# Altium PCB 400442.PcbDoc (part 1 of 4) (continued)
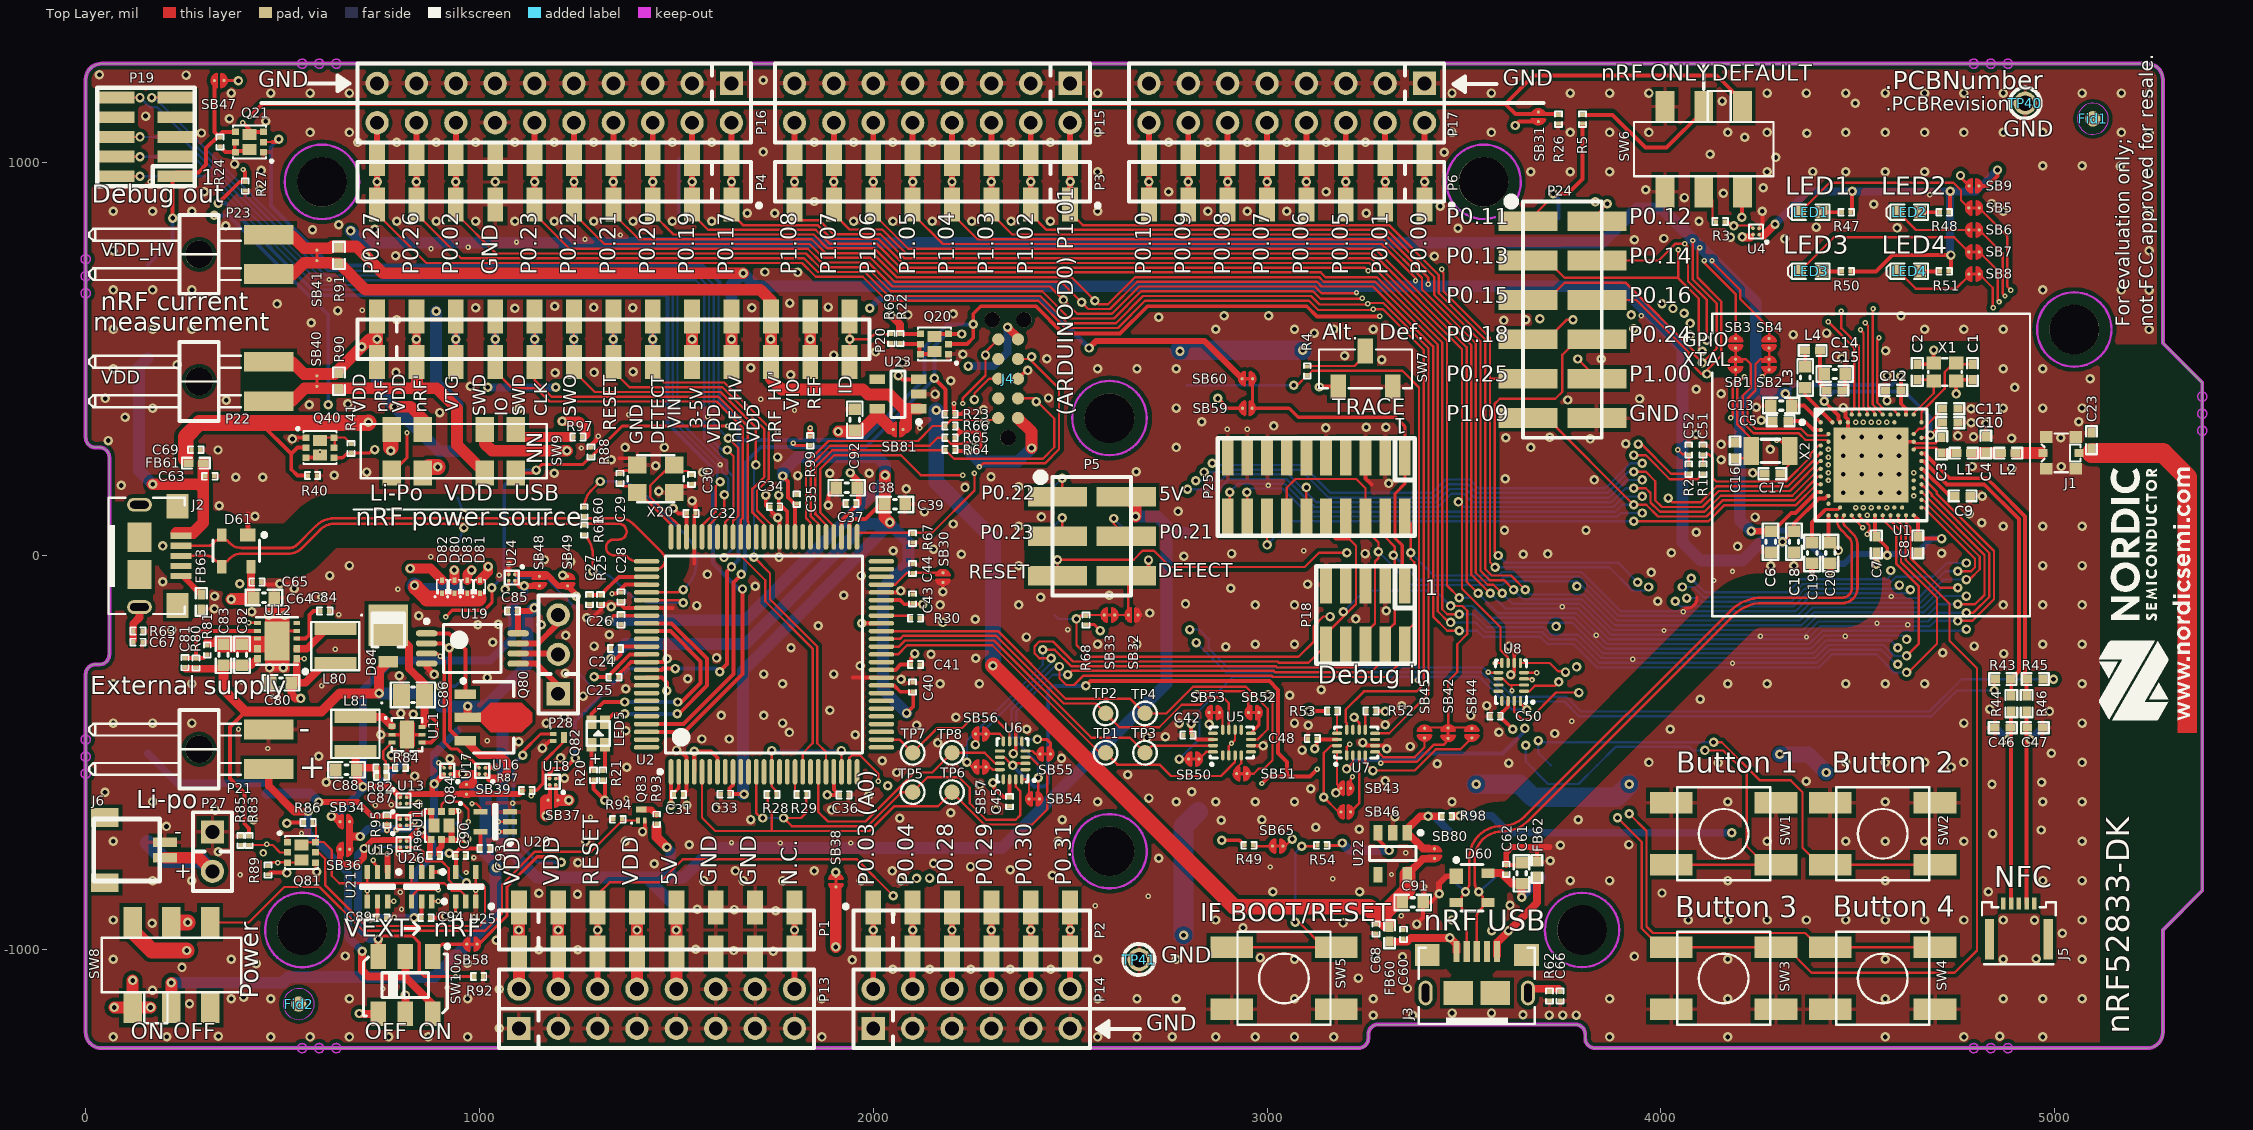
[diagram p0: Top Layer view]
## Components (designator, comment, footprint, x,y, rotation, side; value= is the part's Value field where it differs from the comment) (continued)
R25 "6k8" RESC0603X03L_C 1307.61,-111 r90 top
R26 "47k" RESC0603X03L_C 3740,1109 r270 top
R27 "10k" RESC0603X03L_C 405,939 r90 top
R28 "150R" RESC0603X03L_C 1743,-606 r180 top
R29 "150R" RESC0603X03L_C 1819,-606 r0 top
R30 "0R" RESC0603X03L_C 2107,-158 r180 top
R40 "150k" RESC0603X03L_C 576,204 r0 top
R41 "1M0" RESC0603X03L_C 674,273 r90 top
R43 "N.C." RESC1005X04L 4868.84,-313 r0 top
R44 "0R" RESC1005X04L 4890,-375 r90 top
R45 "N.C." RESC1005X04L 4950.84,-313 r180 top
R46 "0R" RESC1005X04L 4929,-375 r90 top
R47 "220R" RESC0603X03L_C 4470.84,872.73 r0 top
R48 "220R" RESC0603X03L_C 4719.84,872.73 r0 top
R49 "10k" RESC0603X03L_C 2954,-735 r180 top
R50 "220R" RESC0603X03L_C 4470.84,722.73 r0 top
R51 "220R" RESC0603X03L_C 4719.84,722.73 r0 top
R52 "4k7" RESC0603X03L_C 3264,-394 r180 top
R53 "4k7" RESC0603X03L_C 3166,-394 r0 top
R54 "N.C." RESC0603X03L_C 3139,-735 r0 top
R60 "39R" RESC0603X03L_C 1266.01,111.94 r270 top
R61 "39R" RESC0603X03L_C 1266.02,65.7 r90 top
R62 "1M0" RESC0603X03L_C 3717.25,-1117.89 r90 top
R63 "1M0" RESC0603X03L_C 132.84,-191 r180 top
R64 "4k7" RESC0603X03L_C 2195,270 r0 top
R65 "4k7" RESC0603X03L_C 2195,300 r0 top
R66 "4k7" RESC0603X03L_C 2195,330 r0 top
R67 "4k7" RESC0603X03L_C 2100,45 r270 top
R68 "1M0" RESC0603X03L_C 2540,-163 r270 top
R69 "649R" RESC0603X03L_C 2046,552 r90 top
R80 "270k" RESC0603X03L_C 280,-272 r270 top
R81 "30k" RESC0603X03L_C 309,-239 r270 top
R82 "330k" RESC0603X03L_C 750,-538 r180 top
R83 "820k" RESC0603X03L_C 414.87,-723 r270 top
R84 "120k" RESC0603X03L_C 799,-538 r180 top
R85 "470k" RESC0603X03L_C 393.87,-723 r90 top
R86 "1M0" RESC0603X03L_C 565,-677 r0 top
R87 "1M0" RESC0603X03L_C 1120,-596 r0 top
R88 "10M" RESC0603X03L_C 1283,264 r90 top
R89 "1M0" RESC0603X03L_C 463,-798 r90 top
R90 "N.C." RESC1005X04L 642.99,443.91 r90 top
R91 "N.C." RESC1005X04L 642.99,763 r90 top
R92 "10M" RESC0603X03L_C 998,-1068 r0 top
R93 "1k" RESC0603X03L_C 1450,-669 r90 top
R94 "10M" RESC0603X03L_C 1351,-669 r180 top
R95 "100k" RESC0603X03L_C 765,-671 r270 top
R96 "1M0" RESC0603X03L_C 886,-761 r0 top
R97 "4R7" RESC0603X03L_C 1250,302 r180 top
R98 "4R7" RESC0603X03L_C 3456,-661 r0 top
R99 "10k" RESC0603X03L_C 1840,292.32 r90 top
SB1 "Solderbridge" Solderbridge_Shorted#1 4190,486 r90 top net-tie
SB2 "Solderbridge" Solderbridge_Shorted#1 4275,486 r90 top net-tie
SB3 "Solderbridge" Solderbridge#1 4190,540 r90 top
SB4 "Solderbridge" Solderbridge#1 4275,540 r90 top
SB5 "Solderbridge" Solderbridge_Shorted#1 4795.33,883.73 r180 top net-tie
SB6 "Solderbridge" Solderbridge_Shorted#1 4795.33,827.73 r180 top net-tie
SB7 "Solderbridge" Solderbridge_Shorted#1 4795.33,771.73 r180 top net-tie
SB8 "Solderbridge" Solderbridge_Shorted#1 4795.33,715.73 r180 top net-tie
SB9 "Solderbridge" Solderbridge#1 4795.34,939.73 r0 top
SB30 "Solderbridge" Solderbridge#1 2177.05,-55 r270 top
SB31 "Solderbridge" Solderbridge#1 3689,1115 r90 top
SB32 "Solderbridge" Solderbridge#1 2660,-150 r180 top
SB33 "Solderbridge" Solderbridge_Shorted#1 2600,-150 r180 top net-tie
SB34 "Solderbridge" Solderbridge#1 658.1,-675 r180 top
SB36 "Solderbridge" Solderbridge#1 658.1,-745 r180 top
SB37 "Solderbridge" Solderbridge#1 1186.78,-620.38 r180 top
SB38 "Solderbridge" Solderbridge_Shorted#1 1905,-827 r90 top net-tie
SB39 "Solderbridge" Solderbridge#1 967,-593 r270 top
SB40 "Solderbridge" Solderbridge_Shorted#1 586.99,443.91 r270 top net-tie
SB41 "Solderbridge" Solderbridge_Shorted#1 586.99,763 r270 top net-tie
SB42 "Solderbridge" Solderbridge_Shorted#1 3460,-450 r90 top net-tie
SB43 "Solderbridge" Solderbridge#1 3200,-590 r0 top
SB44 "Solderbridge" Solderbridge#1 3520,-450 r90 top
SB45 "Solderbridge" Solderbridge#1 3400,-450 r90 top
SB46 "Solderbridge" Solderbridge#1 3200,-650 r180 top
SB47 "Solderbridge" Solderbridge#1 339,1207 r180 top
SB48 "Solderbridge" Solderbridge#1 1152,-64 r270 top
SB49 "Solderbridge" Solderbridge#1 1224,-64 r270 top
SB50 "Solderbridge" Solderbridge_Shorted#2 2814,-516 r0 top net-tie
SB51 "Solderbridge" Solderbridge_Shorted#2 2936,-553 r180 top net-tie
SB52 "Solderbridge" Solderbridge_Shorted#2 2966,-398 r0 top net-tie
SB53 "Solderbridge" Solderbridge_Shorted#2 2866,-398 r0 top net-tie
SB54 "Solderbridge" Solderbridge_Shorted#2 2409,-617 r180 top net-tie
SB55 "Solderbridge" Solderbridge_Shorted#2 2437,-503 r180 top net-tie
SB56 "Solderbridge" Solderbridge_Shorted#2 2273,-452 r0 top net-tie
SB57 "Solderbridge" Solderbridge_Shorted#2 2273,-536 r0 top net-tie
SB58 "Solderbridge" Solderbridge_Shorted#1 981,-986 r180 top net-tie
SB59 "Solderbridge" Solderbridge#2 2950,375 r180 top
SB60 "Solderbridge" Solderbridge_Shorted#1 2950,450 r180 top net-tie
SB65 "Solderbridge" Solderbridge_Shorted#1 3027,-737 r180 top net-tie
SB80 "Solderbridge" Solderbridge#1 3425,-756 r270 top
SB81 "Solderbridge" Solderbridge#3 2063,321 r180 top
SW1 "PB SW" Switch-PB-6.2x6.3mm-SMD 4159.57,-705.52 r0 top locked
SW2 "PB SW" Switch-PB-6.2x6.3mm-SMD 4563.57,-705.52 r0 top locked
SW3 "PB SW" Switch-PB-6.2x6.3mm-SMD 4159.57,-1072.77 r180 top locked
SW4 "PB SW" Switch-PB-6.2x6.3mm-SMD 4563.57,-1072.77 r180 top locked
SW5 "PB SW" Switch-PB-6.2x6.3mm-SMD 3043,-1072.77 r180 top
SW6 "MKH-22D14-G2-B" MKH-22D14-G2-B 4109,1033 r180 top
SW7 "Switch" CJS-120xA 3250,475 r0 top
SW8 "MKH-22D14-G2-B" MKH-22D14-G2-B 217.62,-1039 r0 top
SW9 "JS203011JCQN" Switch-Slide-J-Lead-DP3T-13x3.5mm 935,266 r0 top locked
SW10 "CAS-220TA" CAS-220TA 812,-1090 r180 top
TP1 "Ø1.0mm,SMD" TP_SMD_Ø1.0mm 2590,-500 r90 top
TP2 "Ø1.0mm,SMD" TP_SMD_Ø1.0mm 2590,-400 r90 top
TP3 "Ø1.0mm,SMD" TP_SMD_Ø1.0mm 2690,-500 r90 top
TP4 "Ø1.0mm,SMD" TP_SMD_Ø1.0mm 2690,-400 r90 top
TP5 "Ø1.0mm,SMD" TP_SMD_Ø1.0mm 2100,-600 r90 top
TP6 "Ø1.0mm,SMD" TP_SMD_Ø1.0mm 2200,-600 r90 top
TP7 "Ø1.0mm,SMD" TP_SMD_Ø1.0mm 2100,-500 r90 top
TP8 "Ø1.0mm,SMD" TP_SMD_Ø1.0mm 2200,-500 r90 top
TP9 "Ø1.5mm,SMD" TP_SMD_Ø1.5mm 944.88,29.53 r0 bottom
TP10 "Ø1.5mm,SMD" TP_SMD_Ø1.5mm 944.88,147.64 r0 bottom
TP11 "Ø1.5mm,SMD" TP_SMD_Ø1.5mm 157.48,501.97 r0 bottom
TP12 "Ø1.5mm,SMD" TP_SMD_Ø1.5mm 157.48,620.08 r0 bottom
TP13 "Ø1.5mm,SMD" TP_SMD_Ø1.5mm 3461.69,-816.93 r0 bottom
TP14 "Ø1.5mm,SMD" TP_SMD_Ø1.5mm 3579.8,-816.93 r0 bottom
TP15 "Ø1.5mm,SMD" TP_SMD_Ø1.5mm 3697.91,-816.93 r0 bottom
TP16 "Ø1.5mm,SMD" TP_SMD_Ø1.5mm 3638.86,-935.04 r0 bottom
TP17 "Ø1.5mm,SMD" TP_SMD_Ø1.5mm 4850.31,-442.13 r0 bottom
TP18 "Ø1.5mm,SMD" TP_SMD_Ø1.5mm 4968.42,-442.13 r0 bottom
TP19 "Ø1.5mm,SMD" TP_SMD_Ø1.5mm 2460.63,-157.48 r0 bottom
TP20 "Ø1.5mm,SMD" TP_SMD_Ø1.5mm 3838.58,-531.5 r0 bottom
TP21 "Ø1.5mm,SMD" TP_SMD_Ø1.5mm 3720.47,-531.5 r0 bottom
TP22 "Ø1.5mm,SMD" TP_SMD_Ø1.5mm 4153.54,856.3 r0 bottom
TP23 "Ø1.5mm,SMD" TP_SMD_Ø1.5mm 2795.28,433.07 r0 bottom
TP24 "Ø1.5mm,SMD" TP_SMD_Ø1.5mm 944.88,265.75 r0 bottom
TP25 "Ø1.5mm,SMD" TP_SMD_Ø1.5mm 944.88,383.86 r0 bottom
TP26 "Ø1.5mm,SMD" TP_SMD_Ø1.5mm 157.48,-501.97 r0 bottom
TP27 "Ø1.5mm,SMD" TP_SMD_Ø1.5mm 590.55,-728.35 r0 bottom
TP28 "Ø1.5mm,SMD" TP_SMD_Ø1.5mm 472.44,-728.35 r0 bottom
TP29 "Ø1.5mm,SMD" TP_SMD_Ø1.5mm 944.88,-442.91 r0 bottom
TP30 "Ø1.5mm,SMD" TP_SMD_Ø1.5mm 944.88,-561.02 r0 bottom
TP31 "Ø1.5mm,SMD" TP_SMD_Ø1.5mm 157.48,-728.35 r0 bottom
TP32 "Ø1.5mm,SMD" TP_SMD_Ø1.5mm 944.88,-88.58 r0 bottom
TP33 "Ø1.5mm,SMD" TP_SMD_Ø1.5mm 944.88,-324.8 r0 bottom
TP34 "Ø1.5mm,SMD" TP_SMD_Ø1.5mm 944.88,-206.69 r0 bottom
TP35 "Ø1.5mm,SMD" TP_SMD_Ø1.5mm 2401.57,305.12 r180 bottom
TP36 "Ø1.5mm,SMD" TP_SMD_Ø1.5mm 2795.28,59.06 r0 bottom
TP37 "Ø1.5mm,SMD" TP_SMD_Ø1.5mm 2825,-650 r0 bottom
TP38 "Ø1.5mm,SMD" TP_SMD_Ø1.5mm 3461.69,-698.82 r0 bottom
TP39 "Ø1.5mm,SMD" TP_SMD_Ø1.5mm 2795.28,-59.06 r0 bottom
TP40 "TP" TESTPAD-TH 4925,1150 r0 top
TP41 "TP" TESTPAD-TH 2675,-1025 r0 top
TP42 "Ø1.5mm,SMD" TP_SMD_Ø1.5mm 3740.16,856.3 r180 bottom
TP43 "Ø1.5mm,SMD" TP_SMD_Ø1.5mm 826.77,-620.08 r0 bottom
TP44 "Ø1.5mm,SMD" TP_SMD_Ø1.5mm 826.77,-738.19 r0 bottom
TP45 "Ø1.5mm,SMD" TP_SMD_Ø1.5mm 944.88,-679.13 r0 bottom
TP46 "Ø1.5mm,SMD" TP_SMD_Ø1.5mm 944.88,-797.24 r0 bottom
TP47 "Ø1.5mm,SMD" TP_SMD_Ø1.5mm 826.77,-501.97 r180 bottom
TP48 "Ø1.5mm,SMD" TP_SMD_Ø1.5mm 2401.57,423.23 r180 bottom
TP49 "Ø1.5mm,SMD" TP_SMD_Ø1.5mm 2401.57,541.34 r180 bottom
TP50 "Ø1.5mm,SMD" TP_SMD_Ø1.5mm 2283.46,541.34 r180 bottom
TP51 "Ø1.5mm,SMD" TP_SMD_Ø1.5mm 2283.46,423.23 r180 bottom
TP52 "Ø1.5mm,SMD" TP_SMD_Ø1.5mm 2283.46,305.12 r180 bottom
TP53 "Ø1.5mm,SMD" TP_SMD_Ø1.5mm 157.48,738.19 r0 bottom
TP54 "Ø1.5mm,SMD" TP_SMD_Ø1.5mm 1279.53,-98.43 r0 bottom
U1 "nRF52833-QIAAA0" AQFN50P700X700X85_HS-74N 4534,231 r0 top locked
U2 "ATSAM3U2CA-AU" TSQFP50P1600X1600X160-100N 1722.61,-250 r90 top locked
U4 "SC728CSTRT" BGA4C40P2X2_76X76X62 4241.87,823.87 r180 top
U5 "FSA2466UMX" XQFN40P180X260X50-16N 2911,-474 r90 top
U6 "FSA2466UMX" XQFN40P180X260X50-16N 2354,-519 r180 top
U7 "FSA2466UMX" XQFN40P180X260X50-16N 3226,-474 r90 top locked
U8 "FSA2466UMX" XQFN40P180X260X50-16N 3620,-320 r180 top locked
U11 "XC9236" USP-6C 816,-454 r0 top
U12 "XC9131" "10-USPB (2.9x2.6)" 486,-216 r180 top
U13 "SC728CSTRT" BGA4C40P2X2_76X76X62 807,-621 r0 top
U14 "SC728CSTRT" BGA4C40P2X2_76X76X62 807,-676.5 r0 top
U15 "SC728CSTRT" BGA4C40P2X2_76X76X62 807,-732 r0 top
U16 "SC728CSTRT" BGA4C40P2X2_76X76X62 1007,-546 r180 top
U17 "SC728CSTRT" BGA4C40P2X2_76X76X62 918,-546 r180 top
U18 "SC728CSTRT" BGA4C40P2X2_76X76X62 1185.78,-573.38 r180 top
U19 "TS27L2IPT" TSOP65P640X120-8N 982,-235 r0 top
U20 "74LVC1G08" SOT65P210X100-5N 1040,-675 r180 top
U21 "74LVC1G11" SOT65P210X100-6N 741,-840 r270 top
U22 "TCK106AF" SOT95P280X140-5N 3319,-756 r270 top
U23 "TCK106AF" SOT95P280X140-5N 2063,411 r180 top
U24 "SC728CSTRT" BGA4C40P2X2_76X76X62 1082,-55 r270 top
U25 "74LVC1G08" SOT65P210X100-5N 965,-840 r90 top
U26 "74LVC1G11" SOT65P210X100-6N 853,-840 r270 top
X1 "32MHz" BT-XTAL_2016 4721.45,467.04 r180 top
X2 "32.768kHz" XTAL_3215 4278.39,266.73 r0 top
X20 "12MHz" BT-XTAL_3225 1447.61,196 r180 top

## Footprints (in the part's own frame and the unit in brackets; to place one, negate y for a bottom-side part, rotate by r counter-clockwise, add the part's x,y. Pads: shape width x height; smd on the part's side, far side on the other; paste and mask are expansions set on the pad)
"10-USPB (2.9x2.6)" [mm] "PQFN, 10-Leads, Body 2.60x2.90mm, Pitch 0.50mm, Thermal Pad 1.60x2.50mm, IPC Medium Density"
  rect 0.45x0.475 smd paste-0.088 mask+0.07: 1(-1.27,1.15) 2(-1.27,0.5) 9(1.27,0.5) 10(1.27,1.15)
  rect 0.45x0.25 smd paste-0.05 mask+0.07: 3(-1.27,-0.15) 4(-1.27,-0.65) 5(-1.27,-1.15) 6(1.27,-1.15) 7(1.27,-0.65) 8(1.27,-0.15)
  rect 1.6x2.5 smd paste-5: 11(0,0)
  silkscreen extent -1.95,-1.53 1.35,2.1, body extent -1.3,-1.45 1.3,1.45, height 0.6
AQFN50P700X700X85_HS-74N [mm] "AQFN, 73-Leads, Body 7.00x7.00mm, Pitch 0.50mm, Thermal Pad 4.95x4.95mm, IPC Medium Density"
  rect 4.85x4.85 smd paste-5 mask+0.05: 74(0,0)
  round 0.275 smd paste+0.012 mask+0.05: A8(-1.25,3.25) A10(-0.75,3.25) A12(-0.25,3.25) A14(0.25,3.25) A16(0.75,3.25) A18(1.25,3.25) A20(1.75,3.25) A22(2.25,3.25) A23(2.75,3.25) AA24(3.25,-2.25) AB2(-2.75,-2.5) AC5(-2,-2.75) AC9(-1,-2.75) AC11(-0.5,-2.75) AC13(0,-2.75) AC15(0.5,-2.75) AC17(1,-2.75) AC19(1.5,-2.75) AC21(2,-2.75) AC24(3.25,-2.75) AD2(-2.75,-3.25) AD4(-2.25,-3.25) AD6(-1.75,-3.25) AD8(-1.25,-3.25) AD10(-0.75,-3.25) AD12(-0.25,-3.25) AD14(0.25,-3.25) AD16(0.75,-3.25) AD18(1.25,-3.25) AD20(1.75,-3.25) AD22(2.25,-3.25) AD23(2.75,-3.25) B1(-3.25,2.75) B3(-2.5,2.75) B5(-2,2.75) B7(-1.5,2.75) B9(-1,2.75) B11(-0.5,2.75) B13(0,2.75) B15(0.5,2.75) B17(1,2.75) B19(1.5,2.75) B24(3.25,2.75) C1(-3.25,2.25) D2(-2.75,2) D23(2.75,2) E24(3.25,1.75) F2(-2.75,1.5) F23(2.75,1.5) G1(-3.25,1.25) H2(-2.75,1) H23(2.75,1) J1(-3.25,0.75) J24(3.25,0.75) K2(-2.75,0.5) L1(-3.25,0.25) L24(3.25,0.25) M2(-2.75,0) N1(-3.25,-0.25) N24(3.25,-0.25) P2(-2.75,-0.5) P23(2.75,-0.5) R1(-3.25,-0.75) R24(3.25,-0.75) T2(-2.75,-1) T23(2.75,-1) U1(-3.25,-1.25) U24(3.25,-1.25) V23(2.75,-1.5) W1(-3.25,-1.75) W24(3.25,-1.75) Y2(-2.75,-2) Y23(2.75,-2)
  rrect15% 0.94x0.94 on Top Paste: ""(-1.71,-1.71) ""(-1.71,-0.57) ""(-1.71,0.57) ""(-1.71,1.71) ""(-0.57,-1.71) ""(-0.57,-0.57) ""(-0.57,0.57) ""(-0.57,1.71) ""(0.57,-1.71) ""(0.57,-0.57) ""(0.57,0.57) ""(0.57,1.71) ""(1.71,-1.71) ""(1.71,-0.57) ""(1.71,0.57) ""(1.71,1.71)
  silkscreen extent -4.56,-3.6 3.6,3.6, body extent -3.55,-3.55 3.55,3.55, height 0.85
BGA4C40P2X2_76X76X62 [mm] "BGA, 4-Leads, Body 0.8x0.8mm,  Pitch 0.40mm"
  round 0.235 smd mask+0.05: A1(-0.2,0.2) A2(0.2,0.2) B1(-0.2,-0.2) B2(0.2,-0.2)
  silkscreen extent -0.74,-0.45 0.45,0.74, body extent -0.39,-0.39 0.4,0.4, height 0.55
BT-XTAL_2016 [mm] "Crystal 2.0 x 1.6 mm"
  rect 0.95x0.85 smd: 1(-0.725,-0.575) 2(0.725,-0.575) 3(0.725,0.575) 4(-0.725,0.575)
  silkscreen extent -1.08,-0.88 1.08,0.88, body extent -1.05,-0.85 1.05,0.85, height 0.56
BT-XTAL_3225 [mm] "Mercury X32 series"
  rect 1.2x1.1 smd: 1(-1.194,-0.89) 2(1.194,-0.89) 3(1.194,0.891) 4(-1.194,0.891)
  silkscreen extent -1.8,-1.52 1.8,1.52, body extent -1.6,-1.25 1.6,1.25, height 0.6
CAPC0603X03L_C [mm] "Chip Capacitor, 2-Leads, Body 0.6x0.3mm, IPC High Density"
  rect 0.27x0.3 smd mask+0.05: 1(-0.285,0) 2(0.285,0)
  silkscreen extent -0.49,-0.22 0.49,0.22, body extent -0.3,-0.15 0.31,0.15, height 0.3
CAPC1005X04L [mm] "Chip Capacitor, 2-Leads, Body 1.0x0.5mm, IPC High Density"
  rect 0.6x0.5 smd: 1(-0.5,0) 2(0.5,0)
  silkscreen extent -0.9,-0.35 0.9,0.35, body extent -0.51,-0.25 0.51,0.25, height 0.5
CAPC1608X06L [mm] "Chip Capacitor, 2-Leads, Body 1.6x0.8mm, IPC High Density"
  rect 0.75x0.8 smd: 1(-0.675,0) 2(0.675,0)
  silkscreen extent -1.17,-0.5 1.17,0.5, body extent -0.8,-0.43 0.8,0.43, height 0.8
CAPC2012X11L [mm] "Chip Capacitor, 2-Leads, Body 2.0x1.3mm, IPC High Density"
  rect 1.1x1.4 smd: 1(-0.75,0) 2(0.75,0)
  silkscreen extent -1.43,-0.8 1.42,0.8, body extent -1,-0.62 1,0.63, height 0.77
CAS-220TA [mm] "SLIDE SWITCH DPDT J HOOK"
  rect 1x1.6 smd: 1(-1.75,-1.85) 2(0,-1.85) 3(1.75,-1.85) 4(-1.75,1.85) 5(0,1.85) 6(1.75,1.85)
  silkscreen extent -2.8,-2.6 2.7,2, body extent -2.7,-2.15 2.7,2.16, height 2.51
CJS-120xA [mm] "Slide Switches - SPDT, SMD, ON-ON"
  rect 1x1.6 smd: 1(1.75,-1.15) 2(0,1.15) 3(-1.75,-1.15)
  silkscreen extent -3,-1.25 3,1.25, body extent -3,-1.4 3,1.45, height 2.5
COAXIAL-SWF [mm]
  rect 0.5x0.58 smd: 1(0,1.16) 3(0,-1.16)
  rect 0.75x0.8 smd: 2(-1.025,-0.95) 2(-1.025,0.95) 2(1.025,-0.95) 2(1.025,0.95)
  Top Layer pour cut-out: 0.65,-0.55 -0.65,-0.55 -0.65,-1.35 0.65,-1.35
  Top Layer pour cut-out: -0.65,0.55 0.65,0.55 0.65,1.35 -0.65,1.35
  silkscreen extent -1.25,-1.25 1.25,1.25, body extent -1.26,-1.3 1.26,1.3, height 1.55
CR2032_HOLDER_RENATA_SMTU_2032-1-LF [mm] "CR2032 - SMD mount coin cell bat holder"
  rect 3.2x4.2 smd: 1(-14.65,0) 2(14.65,0)
  silkscreen extent -14.42,-8 14.42,8, body extent -15.9,-8.05 15.9,8.05, height 5.4
DFN65P100X40-3L [mm] "DFN, 3-Leads, Body 0.60x1.00mm, Pitch 0.65mm, IPC High Density"
  rect 0.4x0.25 smd mask+0.065: 1(-0.35,0.225) 2(-0.35,-0.225)
  rect 0.4x0.7 smd mask+0.065: 3(0.35,0)
  silkscreen extent -0.57,0.58 -0.48,0.67, body extent -0.53,-0.33 0.53,0.33, height 0.4
DFN65P200X200X80_HS-6N [mm] "DFN, 6-Leads, Body 2.00x2.00mm, Pitch 0.65mm, IPC Medium Density"
  rect 0.45x0.42 smd mask+0.055: 1(-0.905,0.65) 2(-0.905,0) 3(-0.905,-0.65) 4(0.905,-0.65) 5(0.905,0) 6(0.905,0.65)
  rect 0.92x0.71 smd mask+0.055: 3(0,-0.475) 6(0,0.475)
  silkscreen extent -1.48,-1.06 1.06,1.27, body extent -1.05,-1.05 1.05,1.05, height 0.65
DO-216AA [mm]
  rect 0.762x1.27 smd: 1(1.65,0)
  rect 2.67x2.54 smd: 3(-0.7,0)
  silkscreen extent -1.6,-1.05 0.7,1.05, body extent -1.9,-1 1.95,1, height 1.01
Fiducial [mm] "Fiducial Mark"
  round 1 smd paste+0 mask+0.5: 0(0,0)
  round 1 smd far side paste+0 mask+0.5: 0(0,0)
  Top Layer keep-out circle w0.01: c0,0 r1
  Bottom Layer keep-out circle w0.01: c0,0 r1
FPC_05P-0.5mm-RA-SMD [mm] "FPC, 5-Leads, Pitch 0,5mm"
  rect 0.6x2.6 smd: 0(-0.9,-2.3) 0(2.9,-2.3)
  rect 0.3x0.8 smd mask+0.05: 1(0,0) 2(0.5,0) 3(1,0) 4(1.5,0) 5(2,0)
  silkscreen extent -1.38,-3.93 3.38,0.08, body extent -1.3,-3.85 3.3,0.2, height 1.2
HDR_2x3-SMD [mil] "Board-Board Conn, Header, 6-way, 2-row"
  rect 50x150 smd: 1(-100,-87.5) 2(-100,87.5) 3(0,-87.5) 4(0,87.5) 5(100,-87.5) 6(100,87.5)
  silkscreen extent -160,-140 150,100, body extent -150,-148 150,148, height 382
HDR_2x5-SMD-1.27mm-K [mm] "SMT MICRO HEADER, (1,27) .050\" Keying Shroud"
  rect 0.76x2.4 smd: 1(-2.54,-1.95) 2(-2.54,1.95) 3(-1.27,-1.95) 4(-1.27,1.95) 5(0,-1.95) 6(0,1.95) 7(1.27,-1.95) 8(1.27,1.95) 9(2.54,-1.95) 10(2.54,1.95)
  silkscreen extent -3.18,-3.15 3.18,3.15, body extent -3.14,-2.92 3.14,2.92, height 6.11
HDR_2x6-NC [mm] "Pin Header, 2.54mm through hole"
  rect 1.5x1.5 hole 0.9: 1(-6.35,-1.27)
  round 1.5 hole 0.9: 2(-6.35,1.27) 3(-3.81,-1.27) 4(-3.81,1.27) 5(-1.27,-1.27) 6(-1.27,1.27) 7(1.27,-1.27) 8(1.27,1.27) 9(3.81,-1.27) 10(3.81,1.27) 11(6.35,-1.27) 12(6.35,1.27)
  silkscreen extent -7.62,-2.54 7.62,2.54
HDR_2x8-NC [mm] "Pin Header, 2.54mm through hole"
  rect 1.5x1.5 hole 0.9: 1(-8.89,-1.27)
  round 1.5 hole 0.9: 2(-8.89,1.27) 3(-6.35,-1.27) 4(-6.35,1.27) 5(-3.81,-1.27) 6(-3.81,1.27) 7(-1.27,-1.27) 8(-1.27,1.27) 9(1.27,-1.27) 10(1.27,1.27) 11(3.81,-1.27) 12(3.81,1.27) 13(6.35,-1.27) 14(6.35,1.27) 15(8.89,-1.27) 16(8.89,1.27)
  silkscreen extent -10.16,-2.54 10.16,2.54
HDR_2x10-NC [mm] "Pin Header, 2.54mm through hole"
  rect 1.5x1.5 hole 0.9: 1(-11.43,-1.27)
  round 1.5 hole 0.9: 2(-11.43,1.27) 3(-8.89,-1.27) 4(-8.89,1.27) 5(-6.35,-1.27) 6(-6.35,1.27) 7(-3.81,-1.27) 8(-3.81,1.27) 9(-1.27,-1.27) 10(-1.27,1.27) 11(1.27,-1.27) 12(1.27,1.27) 13(3.81,-1.27) 14(3.81,1.27) 15(6.35,-1.27) 16(6.35,1.27) 17(8.89,-1.27) 18(8.89,1.27) 19(11.43,-1.27) 20(11.43,1.27)
  silkscreen extent -12.7,-2.54 12.7,2.54
HDR_2x10-SMD-1.27mm-NC [mm] "SMT MICRO HEADER, (1,27) .050\""
  rect 0.76x2.4 smd paste-5: 1(-5.715,-1.95) 2(-5.715,1.95) 3(-4.445,-1.95) 4(-4.445,1.95) 5(-3.175,-1.95) 6(-3.175,1.95) 7(-1.905,-1.95) 8(-1.905,1.95) 9(-0.635,-1.95) 10(-0.635,1.95) 11(0.635,-1.95) 12(0.635,1.95) 13(1.905,-1.95) 14(1.905,1.95) 15(3.175,-1.95) 16(3.175,1.95) 17(4.445,-1.95) 18(4.445,1.95) 19(5.715,-1.95) 20(5.715,1.95)
  silkscreen extent -6.35,-3.15 6.35,3.15
INDC1005X04L [mm] "Chip Inductor, 2-Leads, Body 1.0x0.5mm, IPC High Density"
  rect 0.65x0.5 smd: 1(-0.475,0) 2(0.475,0)
  silkscreen extent -0.9,-0.35 0.9,0.35, body extent -0.5,-0.3 0.5,0.3, height 0.5
INDC1608X06L [mm] "Chip Inductor, 2-Leads, Body 1.6x0.8mm, IPC High Density"
  rect 0.75x0.8 smd: 1(-0.675,0) 2(0.675,0)
  silkscreen extent -1.17,-0.5 1.17,0.5, body extent -0.8,-0.48 0.8,0.48, height 0.8
LED_0603_G [mil] "SMD Super Bright LED, GREEN"
  rect 30x32 smd: 1(-27.5,0) 2(27.5,0)
  silkscreen extent -58,-20 48,20, body extent -32,-16 32,16, height 24
LED_DUAL_0606 [mm]
  rect 0.65x0.85 smd paste+0 mask+0.05: 1(0.425,0.725) 2(-0.425,0.725) 3(0.425,-0.725) 4(-0.425,-0.725)
  silkscreen extent -0.75,-0.8 0.75,0.8, body extent -0.75,-0.8 0.75,0.8, height 0.55
LIST_1x2-NC [mm] "Pin List, 2.54mm through hole"
  rect 1.5x1.5 hole 0.9: 1(-1.27,0)
  round 1.5 hole 0.9: 2(1.27,0)
  silkscreen extent -2.54,-1.27 2.54,1.27
LIST_1x3-NC [mm] "Pin List, 2.54mm through hole"
  rect 1.5x1.5 hole 0.9: 1(-2.54,0)
  round 1.5 hole 0.9: 2(0,0) 3(2.54,0)
  silkscreen extent -3.81,-1.27 3.81,1.27
LIST_1x6_SMD-NC [mm] "Pin List, 2.54mm, SMD"
  rect 1.02x2.19 smd paste+0: 1(0,-1.465) 1(0,1.465) 2(2.54,-1.465) 2(2.54,1.465) 3(5.08,-1.465) 3(5.08,1.465) 4(7.62,-1.465) 4(7.62,1.465) 5(10.16,-1.465) 5(10.16,1.465) 6(12.7,-1.465) 6(12.7,1.465)
  silkscreen extent -1.27,-1.27 13.97,1.27
LIST_1x8_SMD-NC [mm] "Pin List, 2.54mm, SMD"
  rect 1.02x2.19 smd paste+0: 1(0,-1.465) 1(0,1.465) 2(2.54,-1.465) 2(2.54,1.465) 3(5.08,-1.465) 3(5.08,1.465) 4(7.62,-1.465) 4(7.62,1.465) 5(10.16,-1.465) 5(10.16,1.465) 6(12.7,-1.465) 6(12.7,1.465) 7(15.24,-1.465) 7(15.24,1.465) 8(17.78,-1.465) 8(17.78,1.465)
  silkscreen extent -1.27,-1.27 19.05,1.27
LIST_1x10_SMD-NC [mm] "Pin List, 2.54mm, SMD"
  rect 1.02x2.19 smd paste+0: 1(0,-1.465) 1(0,1.465) 2(2.54,-1.465) 2(2.54,1.465) 3(5.08,-1.465) 3(5.08,1.465) 4(7.62,-1.465) 4(7.62,1.465) 5(10.16,-1.465) 5(10.16,1.465) 6(12.7,-1.465) 6(12.7,1.465) 7(15.24,-1.465) 7(15.24,1.465) 8(17.78,-1.465) 8(17.78,1.465) 9(20.32,-1.465) 9(20.32,1.465) 10(22.86,-1.465) 10(22.86,1.465)
  silkscreen extent -1.27,-1.27 24.13,1.27
LIST_1x13_SMD [mm] "Pin List, 2.54mm, SMD"
  rect 1.02x2.19 smd: 1(0,-1.465) 1(0,1.465) 2(2.54,-1.465) 2(2.54,1.465) 3(5.08,-1.465) 3(5.08,1.465) 4(7.62,-1.465) 4(7.62,1.465) 5(10.16,-1.465) 5(10.16,1.465) 6(12.7,-1.465) 6(12.7,1.465) 7(15.24,-1.465) 7(15.24,1.465) 8(17.78,-1.465) 8(17.78,1.465) 9(20.32,-1.465) 9(20.32,1.465) 10(22.86,-1.465) 10(22.86,1.465) 11(25.4,-1.465) 11(25.4,1.465) 12(27.94,-1.465) 12(27.94,1.465) 13(30.48,-1.465) 13(30.48,1.465)
  silkscreen extent -1.27,-1.27 31.75,1.27, body extent -1.27,-2.5 31.75,2.5, height 9.82
LIST_1x13_SMD-NC [mm] "Pin List, 2.54mm, SMD"
  rect 1.02x2.19 smd: 1(0,-1.465) 1(0,1.465) 2(2.54,-1.465) 2(2.54,1.465) 3(5.08,-1.465) 3(5.08,1.465) 4(7.62,-1.465) 4(7.62,1.465) 5(10.16,-1.465) 5(10.16,1.465) 6(12.7,-1.465) 6(12.7,1.465) 7(15.24,-1.465) 7(15.24,1.465) 8(17.78,-1.465) 8(17.78,1.465) 9(20.32,-1.465) 9(20.32,1.465) 10(22.86,-1.465) 10(22.86,1.465) 11(25.4,-1.465) 11(25.4,1.465) 12(27.94,-1.465) 12(27.94,1.465) 13(30.48,-1.465) 13(30.48,1.465)
  silkscreen extent -1.27,-1.27 31.75,1.27
LIST_ANG_1x2-SMD-2.54MM [mm] "Pin List, 2.54mm, Surface Mount, Angled"
  round 1.78 hole 1.78 unplated: 0(0,-4.496)
  rect 1.27x3.18 smd: 1(-1.27,0) 2(1.27,0)
  silkscreen extent -2.54,-11.58 2.54,-1.8, body extent -2.56,-11.61 2.52,1.35, height 3.03
MKH-22D14-G2-B [mm] "Slide Switches - DPDT, SMD, ON-ON"
  rect 1.2x2 smd: 1(2.5,-2.75) 2(0,-2.75) 3(-2.5,-2.75) 4(2.5,2.75) 5(0,2.75) 6(-2.5,2.75)
  silkscreen extent -4.5,-3.75 4.5,1.75, body extent -4.25,-3.75 4.25,2.5, height 3.5
RESC0603X03L_C [mm] "Chip Resistor, 2-Leads, Body 0.6x0.3mm, IPC High Density"
  rect 0.27x0.3 smd: 1(-0.285,0) 2(0.285,0)
  silkscreen extent -0.49,-0.22 0.49,0.22, body extent -0.3,-0.15 0.3,0.15, height 0.23
RESC1005X04L [mm] "Chip Resistor, 2-Leads, Body 1.0x0.5mm, IPC High Density"
  rect 0.6x0.55 smd mask+0.05: 1(-0.5,0) 2(0.5,0)
  silkscreen extent -0.87,-0.38 0.88,0.38, body extent -0.5,-0.25 0.5,0.25, height 0.3
SM02B-SRSS-TB [mm] "JST, SH connector, side entry SMD, 1mm pitch"
  rect 1.2x1.8 smd: 0(-2.1,-3.875) 0(2.1,-3.875)
  rect 0.6x1.55 smd: 1(-0.5,0) 2(0.5,0)
  silkscreen extent -2,-4.57 2,-0.33, body extent -1.99,-4.58 1.99,0.41, height 3
SOCKET_1x6_SMD [mm] "Socket, 2.54mm, SMD"
  rect 1.02x2.19 smd: 1(0,-1.465) 1(0,1.465) 2(2.54,-1.465) 2(2.54,1.465) 3(5.08,-1.465) 3(5.08,1.465) 4(7.62,-1.465) 4(7.62,1.465) 5(10.16,-1.465) 5(10.16,1.465) 6(12.7,1.465) 6(12.7,-1.465)
  silkscreen extent -1.27,-1.27 13.97,1.27, body extent -1.27,-2.29 13.97,2.29, height 7.47
SOCKET_1x8_SMD [mm] "Socket, 2.54mm, SMD"
  rect 1.02x2.19 smd: 1(0,-1.465) 1(0,1.465) 2(2.54,-1.465) 2(2.54,1.465) 3(5.08,-1.465) 3(5.08,1.465) 4(7.62,-1.465) 4(7.62,1.465) 5(10.16,-1.465) 5(10.16,1.465) 6(12.7,1.465) 6(12.7,-1.465) 7(15.24,-1.465) 7(15.24,1.465) 8(17.78,-1.465) 8(17.78,1.465)
  silkscreen extent -1.27,-1.27 19.05,1.27, body extent -1.27,-2.29 19.05,2.29, height 7.47
SOCKET_1x10_SMD [mm] "Socket, 2.54mm, SMD"
  rect 1.02x2.19 smd: 1(0,1.465) 1(0,-1.465) 2(2.54,-1.465) 2(2.54,1.465) 3(5.08,-1.465) 3(5.08,1.465) 4(7.62,-1.465) 4(7.62,1.465) 5(10.16,-1.465) 5(10.16,1.465) 6(12.7,-1.465) 6(12.7,1.465) 7(15.24,-1.465) 7(15.24,1.465) 8(17.78,-1.465) 8(17.78,1.465) 9(20.32,-1.465) 9(20.32,1.465) 10(22.86,-1.465) 10(22.86,1.465)
  silkscreen extent -1.27,-1.27 24.13,1.27, body extent -1.27,-2.29 24.13,2.29, height 7.47
SOCKET_2x3_SMD-2.54mm-bottom-NC [mm] "Socket, 2.54mm, SMD"
  rect 1.02x2.22 smd far side: 1(-2.54,-2.825) 2(-2.54,2.825) 3(0,-2.825) 4(0,2.825) 5(2.54,-2.825) 6(2.54,2.825)
SOCKET_2x6_SMD-2.54mm [mil]
  rect 50x150 smd: 1(-250,-87.5) 2(-250,87.5) 3(-150,-87.5) 4(-150,87.5) 5(-50,-87.5) 6(-50,87.5) 7(50,-87.5) 8(50,87.5) 9(150,-87.5) 10(150,87.5) 11(250,-87.5) 12(250,87.5)
  silkscreen extent -310,-140 300,100, body extent -300,-138 300,139, height 290
SODFL100X40-2N [mm] "SODFL, 2-Leads, Body 0.60x1.00mm, IPC Medium Density"
  rect 0.36x0.25 smd: 1(-0.42,0) 2(0.42,0)
  silkscreen extent -0.7,-0.35 0.5,0.5, body extent -0.5,-0.33 0.5,0.33, height 0.4
Solderbridge#1 [mm]
  round 0.2 smd paste-10: 1(-0.312,0) 2(0.312,0)
  Top Layer region: 0.077,0.432 0.152,0.505 0.271,0.467 0.335,0.424 0.409,0.351 0.462,0.292 0.521,0.193 0.549,0.099 0.544,-0.122 0.518,-0.193 0.434,-0.33 0.351,-0.411 0.259,-0.469 0.157,-0.5 0.107,-0.483 0.077,-0.43
  Top Layer region: -0.077,-0.432 -0.152,-0.505 -0.271,-0.467 -0.335,-0.424 -0.409,-0.351 -0.462,-0.292 -0.521,-0.193 -0.549,-0.099 -0.544,0.122 -0.518,0.193 -0.434,0.33 -0.351,0.411 -0.259,0.469 -0.157,0.5 -0.107,0.483 -0.077,0.43
  Top Layer lines w0.152: -0.153,0.431 ccw(c-0.042,0) -0.153,-0.431 ; 0.153,0.431 cw(c0.042,0) 0.153,-0.431
Solderbridge#2 [mm]
  round 0.2 smd paste-10: 1(-0.312,0) 2(0.312,0)
  Top Layer region: -0.077,-0.432 -0.152,-0.505 -0.271,-0.467 -0.335,-0.424 -0.409,-0.351 -0.462,-0.292 -0.521,-0.193 -0.549,-0.099 -0.544,0.122 -0.518,0.193 -0.434,0.33 -0.351,0.411 -0.259,0.469 -0.157,0.5 -0.107,0.483 -0.077,0.43
  Top Layer region: 0.077,0.432 0.152,0.505 0.271,0.467 0.335,0.424 0.409,0.351 0.462,0.292 0.521,0.193 0.549,0.099 0.544,-0.122 0.518,-0.193 0.434,-0.33 0.351,-0.411 0.259,-0.469 0.157,-0.5 0.107,-0.483 0.077,-0.43
  Top Layer lines w0.152: 0.153,0.431 cw(c0.042,0) 0.487,0 cw(c0.042,0) 0.153,-0.431 ; -0.153,0.431 ccw(c-0.042,0) -0.487,0 ccw(c-0.042,0) -0.338,-0.332 ccw(c-0.042,0) -0.153,-0.431
Solderbridge#3 [mm]
  round 0.2 smd paste-10: 1(-0.312,0) 2(0.312,0)
  Top Layer region: 0.077,0.432 0.152,0.505 0.271,0.467 0.335,0.424 0.409,0.351 0.462,0.292 0.521,0.193 0.549,0.099 0.544,-0.122 0.518,-0.193 0.434,-0.33 0.351,-0.411 0.259,-0.469 0.157,-0.5 0.107,-0.483 0.077,-0.43
  Top Layer region: -0.077,-0.432 -0.152,-0.505 -0.271,-0.467 -0.335,-0.424 -0.409,-0.351 -0.462,-0.292 -0.521,-0.193 -0.549,-0.099 -0.544,0.122 -0.518,0.193 -0.434,0.33 -0.351,0.411 -0.259,0.469 -0.157,0.5 -0.107,0.483 -0.077,0.43
  Top Layer lines w0.152: 0.153,0.431 cw(c0.042,0) 0.482,-0.068 cw(c0.042,0) 0.153,-0.431 ; -0.153,0.431 ccw(c-0.042,0) -0.153,-0.431
Solderbridge_Shorted#1 [mm]
  round 0.2 smd paste-10: 1(-0.338,0) 2(0.338,0)
  Top Layer region: -0.102,-0.432 -0.178,-0.505 -0.296,-0.467 -0.361,-0.424 -0.434,-0.351 -0.488,-0.292 -0.546,-0.193 -0.574,-0.099 -0.569,0.122 -0.544,0.193 -0.46,0.33 -0.376,0.411 -0.284,0.469 -0.183,0.5 -0.132,0.483 -0.102,0.43
  Top Layer region: 0.102,0.432 0.178,0.505 0.296,0.467 0.361,0.424 0.434,0.351 0.488,0.292 0.546,0.193 0.574,0.099 0.569,-0.122 0.544,-0.193 0.46,-0.33 0.376,-0.411 0.284,-0.469 0.183,-0.5 0.132,-0.483 0.102,-0.43
  Top Layer lines w0.152: -0.178,0.431 ccw(c-0.068,0) -0.178,-0.431 ; 0.178,0.431 cw(c0.068,0) 0.178,-0.431
  Top Layer lines w0.203: -0.338,0 0.338,0
Solderbridge_Shorted#2 [mm]
  round 0.2 smd paste-10: 1(-0.338,0) 2(0.338,0)
  Top Layer region: 0.102,0.432 0.178,0.505 0.296,0.467 0.361,0.424 0.434,0.351 0.488,0.292 0.546,0.193 0.574,0.099 0.569,-0.122 0.544,-0.193 0.46,-0.33 0.376,-0.411 0.284,-0.469 0.183,-0.5 0.132,-0.483 0.102,-0.43
  Top Layer region: -0.102,-0.432 -0.178,-0.505 -0.296,-0.467 -0.361,-0.424 -0.434,-0.351 -0.488,-0.292 -0.546,-0.193 -0.574,-0.099 -0.569,0.122 -0.544,0.193 -0.46,0.33 -0.376,0.411 -0.284,0.469 -0.183,0.5 -0.132,0.483 -0.102,0.43
  Top Layer lines w0.152: -0.178,-0.431 cw(c-0.068,0) -0.512,0 cw(c-0.068,0) -0.178,0.431 ; 0.178,-0.431 ccw(c0.068,0) 0.178,0.431
  Top Layer lines w0.203: -0.338,0 0.338,0
SOT65P210X100-5N [mm] "SOT23, 5-Leads, Body 2,2x2,4mm (max), Pitch 0,65mm, IPC Medium Density"
  rect 0.9x0.35 smd: 1(-0.95,0.65) 2(-0.95,0) 3(-0.95,-0.65) 4(0.95,-0.65) 5(0.95,0.65)
  silkscreen extent -1.08,-1.1 0.1,1.5, body extent -1.1,-1 1.1,1, height 0.97
SOT65P210X100-6N [mm] "SOT23, 6-Leads, Body 2,2x2,4mm (max), Pitch 0,65mm, IPC Medium Density"
  rect 0.9x0.35 smd: 1(-0.95,0.65) 2(-0.95,0) 3(-0.95,-0.65) 4(0.95,-0.65) 5(0.95,0) 6(0.95,0.65)
  silkscreen extent -1.07,-1.1 0.1,1.5, body extent -1.05,-1 1.05,1, height 0.92
SOT89-150P409X160-3N [mm] "SOT89, 3-Leads, Body 4.50x2.45mm, Pitch 1.50mm, Lead Span 4.1mm, IPC Medium Density"
  rect 1.4x0.6 smd: 1(-1.8,1.5) 3(-1.8,-1.5)
  rect 1.7x0.6 smd: 2(-1.65,0)
  Top Layer region: -1.016,-0.3 -0.635,-0.3 -0.635,0.3 -1.016,0.3
  Top Layer region: -0.8,0.3 -0.15,0.95 1.85,0.95 2.5,0.3 2.5,-0.3 1.85,-0.95 -0.15,-0.95 -0.8,-0.3
  silkscreen extent -2.05,-2.3 1.32,2.47, body extent -2.2,-2.3 1.93,2.3, height 1.6
SOT95P280X140-5N [mm] "SOT23, 5-Leads, Body 2,90x2,80mm, Pitch 0,95mm, IPC Medium Density"
  rect 1x0.6 smd: 1(-1.35,0.95) 2(-1.35,0) 3(-1.35,-0.95) 4(1.35,-0.95) 5(1.35,0.95)
  silkscreen extent -1.47,-1.5 0.45,1.93, body extent -1.5,-1.55 1.5,1.55, height 1.4
SOT190P230X110-4L [mm] "SOT143, 4-Leads, Body 3.0x2.5mm (max), Pitch 1.90mm, IPC High Density"
  rect 0.85x1 smd: 1(-1.025,0.75)
  rect 0.85x0.6 smd: 2(-1.025,-0.95) 3(1.025,-0.95) 4(1.025,0.95)
  silkscreen extent -1.15,-1.5 0.7,1.92, body extent -1.21,-1.46 1.21,1.46, height 1
Switch-PB-6.2x6.3mm-SMD [mm] "6.2×6.5mm TACT Switch, without ground connector"
  rect 2.75x1.4 smd: 1(-3.375,2) 1(3.375,2) 2(-3.375,-2) 2(3.375,-2)
  silkscreen extent -3,-3 3,3, body extent -4,-3 4,3.3, height 3.1
Switch-Slide-J-Lead-DP3T-13x3.5mm [mm] "Slide Switch - DP3T, SMD, ON-ON-ON"
  rect 1.2x1.6 smd: 1(-4,-1.4) 2(-2,-1.4) 3(2,-1.4) 4(4,-1.4) 5(-4,1.4) 6(-2,1.4) 7(2,1.4) 8(4,1.4)
  silkscreen extent -6,-1.75 6,1.75, body extent -6,-1.8 6,1.7, height 5.5
TC2050-IDC-NLFP [mil]
  round 39 hole 39 unplated: 0(-150,0) 0(150,-40) 0(150,40)
  round 31 smd paste-196.85: 1(-100,-25) 2(-50,-25) 3(0,-25) 4(50,-25) 5(100,-25) 6(100,25) 7(50,25) 8(0,25) 9(-50,25) 10(-100,25)
  Top Layer pour cut-out: -100,25 -100,-25 100,-25 100,25
TESTPAD-TH [mm]
  round 1.5 hole 1: 1(0,0)
  silkscreen extent -1,-1 1,1
TP_SMD_Ø1.0mm [mm]
  round 1 smd paste-5: 1(0,0)
  silkscreen extent -0.76,-0.76 0.76,0.76
TP_SMD_Ø1.5mm [mm]
  round 1.5 smd paste-5: 1(0,0)
  silkscreen extent -0.95,-0.95 0.95,0.95
TSOP65P640X120-8N [mm] "TSOP, 8-Leads, Body 3.00x4.40mm, Pitch 0.65mm, IPC Medium Density"
  oval 1.4x0.4 smd: 1(-2.95,0.975) 2(-2.95,0.325) 3(-2.95,-0.325) 4(-2.95,-0.975) 5(2.95,-0.975) 6(2.95,-0.325) 7(2.95,0.325) 8(2.95,0.975)
  silkscreen extent -3.07,-1.55 1.85,1.87, body extent -3.2,-1.55 3.2,1.55, height 1.2
TSQFP50P1600X1600X160-100N [mm] "TSQFP, 100-Leads, Body 16,0x16,0mm (max), Pitch 0,50mm, IPC Medium Density"
  oval 1.65x0.3 smd mask+0.05: 1(-7.575,6) 2(-7.575,5.5) 3(-7.575,5) 4(-7.575,4.5) 5(-7.575,4) 6(-7.575,3.5) 7(-7.575,3) 8(-7.575,2.5) 9(-7.575,2) 10(-7.575,1.5) 11(-7.575,1) 12(-7.575,0.5) 13(-7.575,0) 14(-7.575,-0.5) 15(-7.575,-1) 16(-7.575,-1.5) 17(-7.575,-2) 18(-7.575,-2.5) 19(-7.575,-3) 20(-7.575,-3.5) 21(-7.575,-4) 22(-7.575,-4.5) 23(-7.575,-5) 24(-7.575,-5.5) 25(-7.575,-6) 51(7.575,-6) 52(7.575,-5.5) 53(7.575,-5) 54(7.575,-4.5) 55(7.575,-4) 56(7.575,-3.5) 57(7.575,-3) 58(7.575,-2.5) 59(7.575,-2) 60(7.575,-1.5) 61(7.575,-1) 62(7.575,-0.5) 63(7.575,0) 64(7.575,0.5) 65(7.575,1) 66(7.575,1.5) 67(7.575,2) 68(7.575,2.5) 69(7.575,3) 70(7.575,3.5) 71(7.575,4) 72(7.575,4.5) 73(7.575,5) 74(7.575,5.5) 75(7.575,6)
  oval 0.3x1.65 smd mask+0.05: 26(-6,-7.575) 27(-5.5,-7.575) 28(-5,-7.575) 29(-4.5,-7.575) 30(-4,-7.575) 31(-3.5,-7.575) 32(-3,-7.575) 33(-2.5,-7.575) 34(-2,-7.575) 35(-1.5,-7.575) 36(-1,-7.575) 37(-0.5,-7.575) 38(0,-7.575) 39(0.5,-7.575) 40(1,-7.575) 41(1.5,-7.575) 42(2,-7.575) 43(2.5,-7.575) 44(3,-7.575) 45(3.5,-7.575) 46(4,-7.575) 47(4.5,-7.575) 48(5,-7.575) 49(5.5,-7.575) 50(6,-7.575) 76(6,7.575) 77(5.5,7.575) 78(5,7.575) 79(4.5,7.575) 80(4,7.575) 81(3.5,7.575) 82(3,7.575) 83(2.5,7.575) 84(2,7.575) 85(1.5,7.575) 86(1,7.575) 87(0.5,7.575) 88(0,7.575) 89(-0.5,7.575) 90(-1,7.575) 91(-1.5,7.575) 92(-2,7.575) 93(-2.5,7.575) 94(-3,7.575) 95(-3.5,7.575) 96(-4,7.575) 97(-4.5,7.575) 98(-5,7.575) 99(-5.5,7.575) 100(-6,7.575)
  silkscreen extent -7.7,-6.35 6.35,6.82, body extent -8,-8 8,8, height 1.6
TY-NR3015 [mm] "Molded Inductor, 2-Leads, Body 3.00x3.00mm, IPC Medium Density"
  rect 0.8x2.7 smd: 1(-1.1,0) 2(1.1,0)
  silkscreen extent -2.05,-1.55 1.55,1.75, body extent -1.5,-1.5 1.5,1.5, height 1.35
USB-Micro-B-RA-SMD-PiP [mm] "Micro USB B SMT"
  rect 1.35x0.4 smd: 1(0,1.3) 2(0,0.65) 3(0,0) 4(0,-0.65) 5(0,-1.3)
  oval 1.6x0.9 hole 0.5 slot 1.2 at 0 deg: 6(-2.675,-3.3) 6(-2.675,3.3)
  oval 2x1.5 on Top Paste: 6(-2.675,-3.3) 6(-2.675,3.3)
  rect 1.55x1.9 smd: 6(-2.675,-1.2) 6(-2.675,1.2)
  rect 1.4x1.6 smd: 6(-0.225,-3.2) 6(-0.225,3.2)
  silkscreen extent -4.75,-3.75 0.25,3.75, body extent -5.28,-4.1 0.15,4.1, height 2.72
USP-6C [mm] "DFN, 6-Leads, Body 2.00x1.80mm, Pitch 0.50mm, Thermal Pad 1.00x1.40mm, IPC Medium Density"
  rect 0.45x0.35 smd paste-0.05: 1(-0.975,0.55)
  rect 0.45x0.25 smd paste-0.05: 2(-0.975,0) 3(-0.975,-0.5) 4(0.975,-0.5) 5(0.975,0) 6(0.975,0.5)
  rect 0.9x1.8 smd paste-2: 7(0,0)
  Top Layer region: -0.5,-0.8 0.5,-0.8 0.5,0.8 -0.5,0.8
  silkscreen extent -1.42,-1.07 0.97,1.12, body extent -0.93,-1.02 0.93,1.02, height 0.6
XQFN40P180X260X50-16N [mm] "QFN, 16-Leads, Body 1.80x2.60mm, Pitch 0.40mm, IPC Medium Density"
  oval 0.65x0.22 smd paste-0.02 mask+0.04: 1(-0.825,0.6) 2(-0.825,0.2) 3(-0.825,-0.2) 4(-0.825,-0.6) 9(0.825,-0.6) 10(0.825,-0.2) 11(0.825,0.2) 12(0.825,0.6)
  oval 0.22x0.65 smd paste-0.02 mask+0.04: 5(-0.6,-1.225) 6(-0.2,-1.225) 7(0.2,-1.225) 8(0.6,-1.225) 13(0.6,1.225) 14(0.2,1.225) 15(-0.2,1.225) 16(-0.6,1.225)
  silkscreen extent -1.45,-1.4 1,1.4, body extent -0.91,-1.31 0.91,1.31, height 0.55
XTAL_3215 [mm] "XTAL SMD 3.2 x 1.5 mm"
  rect 1x1.8 smd: 1(-1.25,0) 2(1.25,0)
  silkscreen extent -0.6,-0.75 0.6,0.75, body extent -1.6,-0.75 1.6,0.75, height 0.81

## Part data
Bat1: library part "Bat Holder Cabcon L-KLS5-CR2032-23-B1", "Bat Holder CR2032 SMD", Manufacturer=Cabcon, Manufacturer Part Number=L-KLS5-CR2032-23-B1, Part number IPS=N.A., Artikkelnr Noca=N.A., ComponentLink1Description=Datasheet, ComponentLink2Description="Supplier link", Footprint Doc=CR2032_HOLDER, LatestRevisionDate=2019-07-15, Note="Bat Holder CR2032", Part Number="Bat Holder Cabcon L-KLS5-CR2032-23-B1", Pin Count=2, Published=2019-07-15, Publisher="Nordic Semiconductor", Supplier 1=Cabcon, Supplier 2=Mouser, Supplier Part Number 1=L-KLS5-CR2032-23-B1, Supplier Part Number 2=614-SMTU2032-LF
C1 C2 C16 C17: library part C0402-12p, "Capacitor, NP0, ±2%", Part number IPS=00000002398, Artikkelnr Noca=20029159, ComponentLink1Description=Datasheet, ComponentLink2Description="Supplier link", Footprint Doc=0402, LatestRevisionDate=2011-05-11, Note=50V, Part Number=C0402-12p, Pin Count=2, Published=2009-05-08, Publisher="Nordic Semiconductor"
C3: library part C0402-1.0p, "Capacitor, NP0, ±0.1pF", Part number IPS=N.A., Supplier Part Number 1=490-6073-1-ND, Artikkelnr Noca=20029140, ComponentLink1Description=Datasheet, ComponentLink2Description="Supplier link", Footprint Doc=0402, LatestRevisionDate=2017-02-23, Note=50V, Part Number=C0402-1.0p, Pin Count=2, Published=2009-05-08, Publisher="Nordic Semiconductor", Supplier 1=Digi-Key
C4 C23: library part C0402-1.2p, "Capacitor, NP0, ±0.1pF", Part number IPS=00000005410, Artikkelnr Noca=20029157, ComponentLink1Description=Datasheet, ComponentLink2Description="Supplier link", Footprint Doc=0402, LatestRevisionDate=2011-05-11, Note=50V, Part Number=C0402-1.2p, Pin Count=2, Published=2009-05-08, Publisher="Nordic Semiconductor"
C5 C7 C8 C12: library part C0402-100n, "Capacitor, X7R, ±10%", Part number IPS=00000005296, Artikkelnr Noca=20039200, ComponentLink1Description=Datasheet, ComponentLink2Description="Supplier link", Footprint Doc=0402, LatestRevisionDate=2009-11-23, Note=16V, Part Number=C0402-100n, Pin Count=2, Published=2009-05-08, Publisher="Nordic Semiconductor"
C6 C19: library part C0603-4µ7-6.3V-X7R, "Capacitor, X7R, ±10%, 6.3V", Manufacturer=Samsung, Manufacturer Part Number=CL10B475KQ8NQNC, Part number IPS=00000002541, Supplier Part Number 1=1276-2087-1-ND, Artikkelnr Noca=20039473, ComponentLink1Description=Datasheet, ComponentLink2Description="Supplier link", Footprint Doc=0603, HelpURL=http://media.digikey.com/pdf/Data%20Sheets/Samsung%20PDFs/CL10B475KQ8NQNC_Spec.pdf, LatestRevisionDate=2015-06-10, Note=6.3V, Part Number=C0603-4µ7-6.3V-X7R, Pin Count=2, Published=2015-06-10, Publisher="Nordic Semiconductor", Supplier 1=Digi-Key
C9: library part C0402-820p, "Capacitor, NP0, ±5%, 50V", Part number IPS=N.A., Artikkelnr Noca=20029219, ComponentLink1Description=Datasheet, ComponentLink2Description="Supplier link", Footprint Doc=0402, LatestRevisionDate=2009-05-08, Note=50V, Part Number=C0402-820p, Pin Count=2, Published=2009-05-08, Publisher="Nordic Semiconductor"
C10: library part C0402-N.C., "Not mounted", Part number IPS=N.A., Artikkelnr Noca=N.A., Assembly="Not mounted", ComponentLink1Description=Datasheet, ComponentLink2Description="Supplier link", Footprint Doc=0402, LatestRevisionDate=2009-05-08, Note="Chip Cap", Part Number=C0402-N.C., Pin Count=2, Published=2009-05-08, Publisher="Nordic Semiconductor"
C11: library part C0402-100p, "Capacitor, NP0, ±5%", Part number IPS=00000002361, Artikkelnr Noca=20029135, ComponentLink1Description=Datasheet, ComponentLink2Description="Supplier link", Footprint Doc=0402, LatestRevisionDate=2009-05-08, Note=50V, Part Number=C0402-100p, Pin Count=2, Published=2009-05-08, Publisher="Nordic Semiconductor"
C13 C14 C91 C92: library part C0603-1µ0, "Capacitor, X7R, ±10%", Part number IPS=00000000616, Artikkelnr Noca=20039282, ComponentLink1Description=Datasheet, ComponentLink2Description="Supplier link", Footprint Doc=0603, LatestRevisionDate=2013-06-05, Note=16V, Part Number=C0603-1µ0, Pin Count=2, Published=2009-05-08, Publisher="Nordic Semiconductor"
C15: library part C0402-47n, "Capacitor, X7R, ±10%, 10V", Part number IPS=N.A., Artikkelnr Noca=20039389, ComponentLink1Description=Datasheet, ComponentLink2Description="Supplier link", Footprint Doc=0402, LatestRevisionDate=2009-05-08, Note="Chip Cap 10%", Part Number=C0402-47n, Pin Count=2, Published=2009-05-08, Publisher="Nordic Semiconductor"
C18 C20: library part C0603-4µ7-10V-X7S, "Capacitor, X7S, ±10%, 10V", Part number IPS=00000001779, Supplier Part Number 1=445-14258-1-ND, Artikkelnr Noca=20030013, ComponentLink1Description=Datasheet, ComponentLink2Description="Supplier link", Footprint Doc=0603, LatestRevisionDate=2016-08-15, Note=10V, Part Number=C0603-4µ7-10V-X7S, Pin Count=2, Published=2016-08-15, Publisher="Nordic Semiconductor", Supplier 1=Digi-Key